# Altium PCB neuro_module.PcbDoc (part 5 of 5)
Units mm, origin at the board's own origin, x right, y up, seen from the top; angles counter-clockwise.
Board outline 96.06 x 102.67 mm, 6 copper layers (Top Layer, Power Layer, Signal Layer 1, GND Plane, Signal Layer 2, Bottom Layer), stack 1.48 mm thick; 479 components, 526 nets, 1822 pads, 1001 vias.
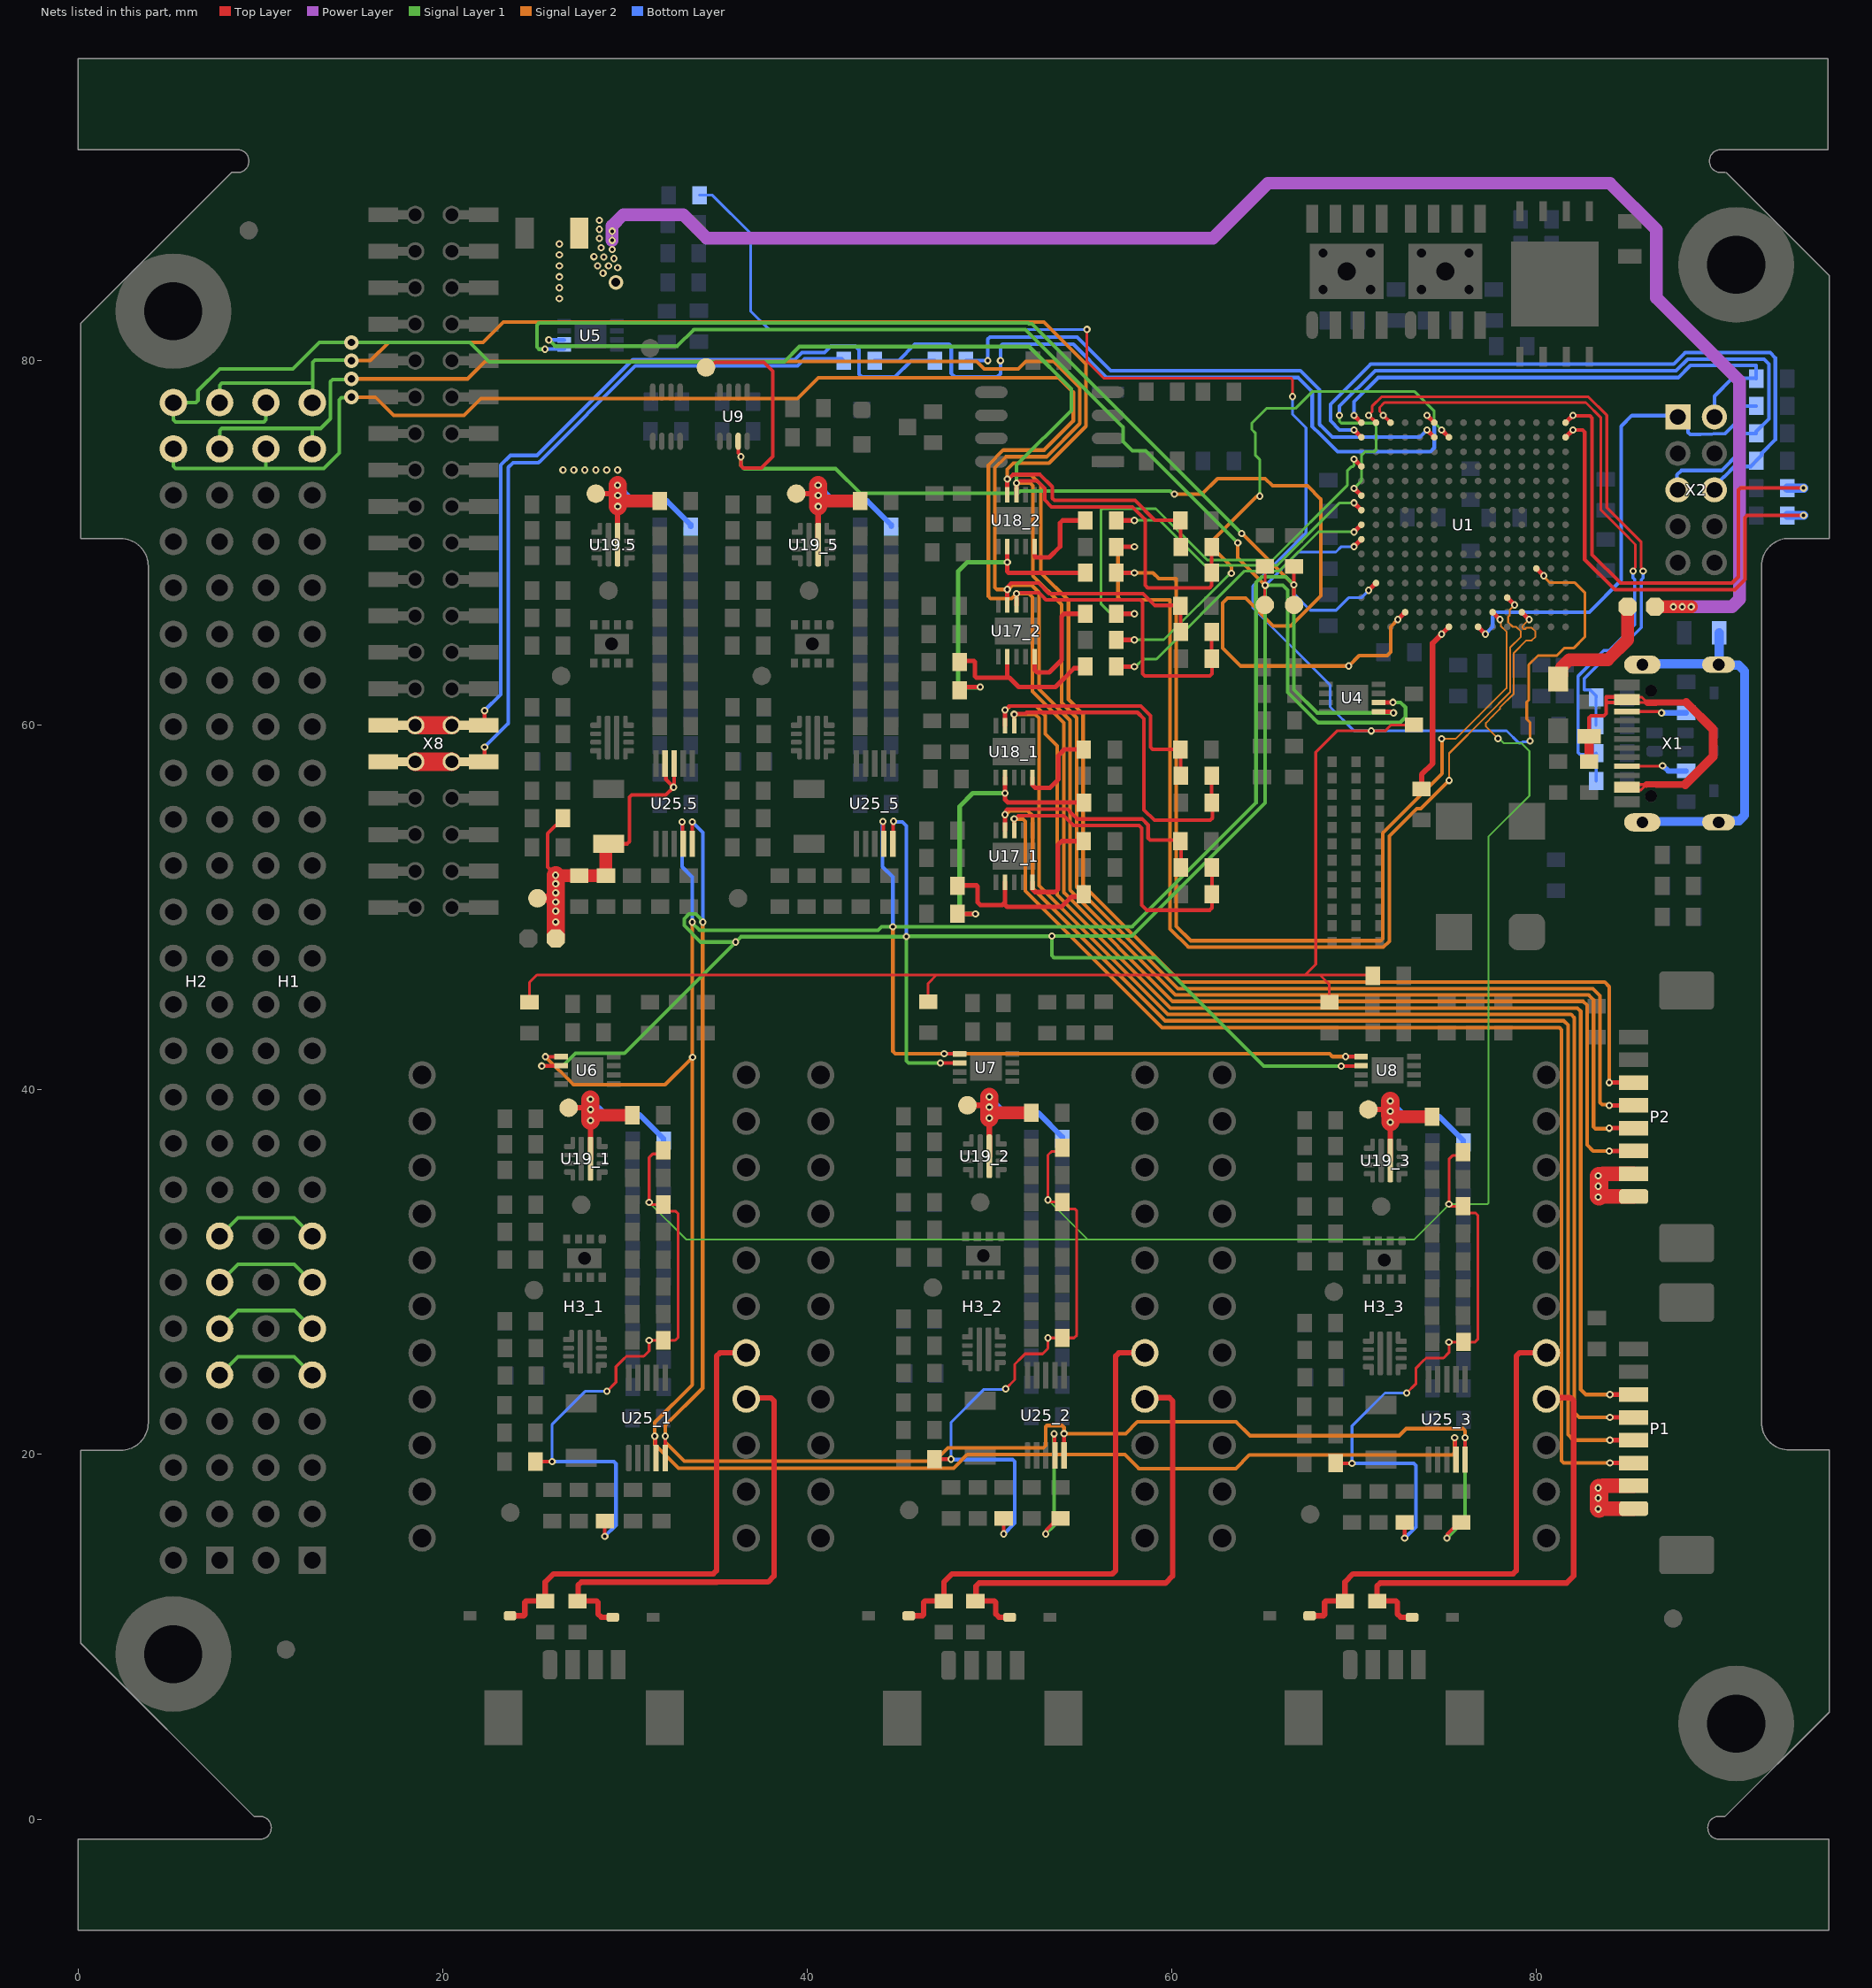
[diagram p9: the nets of this part, all layers, seen from the top]

## Via types
v1: diameter 0.4, hole 0.2, Top Layer to Bottom Layer, tented both sides, 835 vias
v2: diameter 0.8, hole 0.4, Top Layer to Bottom Layer, tented both sides, 89 vias
v3: diameter 1.2, hole 0.8, Top Layer to Bottom Layer, 32 vias
v4: diameter 0.6, hole 0.6, Top Layer to Bottom Layer, tented both sides, 16 vias
v5: diameter 0.4, hole 0.2, Top Layer to Bottom Layer, 11 vias
v6: diameter 0.5, hole 0.2, Top Layer to Bottom Layer, tented top, 8 vias
v7: diameter 0.5, hole 0.25, Top Layer to Bottom Layer, tented both sides, 4 vias
v8: diameter 0.9, hole 0.9, Top Layer to Bottom Layer, 3 vias
v9: diameter 0.5, hole 0.2, Top Layer to Bottom Layer, tented bottom, 2 vias
v10: diameter 0.8, hole 0.5, Top Layer to Bottom Layer, 1 vias

## Nets (pads, with @x,y where several pads share a name; then routed paths per layer and width w, separated by ;. In a path a pad name is that pad's centre, name@x,y a point inside that pad or via, vN(x,y) a via of type N, cw(c..) or ccw(c..) an arc to the next point about the centre after c; other vN are vias at no path point) (continued)
NRST: R88.2 U1.J1 X2.1 | length 27.4
  Top Layer w0.25: U1.J1@76.8,65.4 v1(77.2,65)
  Bottom Layer w0.2: v1(77.2,65) 77.6,65.4 77.6,65.966 77.834,66.2 82.9,66.2 84.658,67.958 84.658,76.403 85.242,76.987 87.687,76.987 X2.1@87.764,76.911 88.311,76.363 88.311,76.063 88.429,75.946 88.999,75.946 89.007,75.946 90.348,75.997 90.406,76.055 90.957,76.606 90.957,77.394 91.075,77.511 R88.2@92.056,77.511
PG: R17_1.1 R17_2.1 R17_3.1 R31_1.1 R31_2.1 R31_3.1 R36_1.1 R36_2.1 R36_3.1 R42_1.1 R42_2.1 R42_3.1 R83_1.1 R83_2.1 R83_3.1 U1.M2 | length 188.2
  Top Layer w0.15: v1(29.009,23.463) 29.508,23.962 29.508,24.816 29.899,25.207 30.076,25.384 31.03,25.384 31.327,25.681 v1(31.327,26.257) 32.757,26.257 32.909,26.409 32.909,33.221 32.792,33.338 32.409,33.338 32.109,33.638 R36_1.1@32.109,33.709 31.444,33.709 v1(31.327,33.826) 31.327,36.288 31.527,36.487 31.913,36.487 R31_1.1@32.109,36.684 ; v1(50.888,23.6) 51.386,24.099 51.386,24.953 51.778,25.344 51.955,25.521 52.909,25.521 53.206,25.818 v1(53.206,26.394) 54.636,26.394 54.788,26.546 54.788,33.358 54.671,33.475 54.288,33.475 53.988,33.775 R36_2.1@53.988,33.846 53.323,33.846 v1(53.206,33.963) 53.206,36.425 53.405,36.624 53.791,36.624 R31_2.1@53.988,36.821 ; v1(72.885,23.372) 73.383,23.87 73.383,24.724 73.774,25.116 73.951,25.293 74.906,25.293 75.202,25.589 v1(75.202,26.166) 76.633,26.166 76.785,26.318 76.785,33.129 76.667,33.246 76.285,33.246 75.985,33.546 R36_3.1@75.985,33.618 75.32,33.618 v1(75.202,33.735) 75.202,36.196 75.402,36.396 75.788,36.396 R31_3.1@75.985,36.593
  Top Layer w0.2: R17_1.1@25.101,19.609 v1(26.009,19.609) ; v1(28.899,15.509) R83_1.1@28.899,16.358 ; R17_2.1@46.98,19.746 v1(47.888,19.746) ; v1(50.778,15.646) R83_2.1@50.778,16.495 ; R17_3.1@68.976,19.518 v1(69.885,19.518) ; v1(72.774,15.418) R83_3.1@72.774,16.266
  Top Layer w0.25: U1.M2@79.2,66.2 v1(79.6,65.8)
  Signal Layer 1 w0.1: v1(31.327,33.826) 33.353,31.801 55.369,31.801 ; v1(53.206,33.963) 55.369,31.801 ; v1(77.892,59.275) 77.957,59.275 78.213,59.019 79.179,59.019 79.617,58.582 79.617,56.128 77.368,53.88 77.368,33.793 77.31,33.735 v1(75.202,33.735) 75.202,33.699 73.304,31.801 55.369,31.801
  Signal Layer 2 w0.1: v1(77.892,59.275) 77.232,59.935 77.232,60.129 77.608,60.504 77.994,60.891 77.994,60.961 78.756,61.723 78.756,63.951 79.455,64.65 79.745,64.65 79.95,64.855 79.95,65.145 79.745,65.35 79.455,65.35 79.383,65.278 79.3,65.278 79.23,65.347 79.23,65.43 v1(79.6,65.8)
  Bottom Layer w0.15: v1(26.009,19.609) 26.009,21.655 27.818,23.463 v1(29.009,23.463) ; v1@47.888,19.721 47.888,21.767 49.696,23.575 v1@50.888,23.575 ; v1(69.885,19.518) 69.885,21.563 71.693,23.372 v1(72.885,23.372)
  Bottom Layer w0.2: v1(26.009,19.609) 29.392,19.609 29.509,19.492 29.509,16.119 v1(28.899,15.509) ; v1@47.888,19.721 51.27,19.721 51.388,19.604 51.388,16.231 v1@50.778,15.621 ; v1(69.885,19.518) 73.267,19.518 73.384,19.4 73.384,16.028 v1(72.774,15.418)
pps: TP7.0 U1.D2 U9.7 | length 73
  Top Layer w0.2: TP7.0@34.454,79.641 34.675,79.641 34.943,79.908 37.617,79.908 38.11,79.415 38.11,74.737 37.49,74.117 36.482,74.117 36.365,74.234 v1(36.365,74.728) ; U9.7@36.209,75.665 36.209,74.937 v1@36.365,74.782
  Top Layer w0.25: v1(72.4,65.8) U1.D2@72.8,66.2
  Signal Layer 1 w0.2: v1(36.365,74.728) 36.365,74.252 36.543,74.074 41.559,74.074 42.913,72.72 51.559,72.72 51.696,72.857 59.913,72.857 60.093,72.677 v1(60.147,72.677)
  Signal Layer 2 w0.2: v1(60.147,72.677) 61.653,72.677 62.509,73.533 65.126,73.533 65.526,73.132 67.438,73.132 68.174,72.397 68.174,67.107 66.523,65.456 65.562,65.456 64.045,66.973 63.06,66.973 62.796,66.709 62.796,64.229 63.775,63.25 v1(69.698,63.25) 70.274,63.826 71.81,63.826 72,64.017 72,65.4 v1(72.4,65.8)
PWR_CH1: H1.9 H2.9 | length 5.9
  Signal Layer 1 w0.2: H2.9@7.77,24.36 8.77,25.36 11.85,25.36 H1.9@12.85,24.36
PWR_CH2: H1.11 H2.11 | length 5.9
  Signal Layer 1 w0.2: H2.11@7.77,26.9 8.77,27.9 11.85,27.9 H1.11@12.85,26.9
PWR_CH3: H1.13 H2.13 | length 5.9
  Signal Layer 1 w0.2: H2.13@7.77,29.44 8.77,30.44 11.85,30.44 H1.13@12.85,29.44
PWR_CH4: H1.15 H2.15 | length 5.9
  Signal Layer 1 w0.2: H2.15@7.77,31.98 8.77,32.98 11.85,32.98 H1.15@12.85,31.98
Reserve_0: R105.1 U1.F14 | length 30.7
  Top Layer w0.25: v1(74,76.2) U1.F14@74.4,75.8
  Bottom Layer w0.2: R105.1@48.7,79.992 48.708,80 v5(49.9,80) 49.9,81.183 50.017,81.3 54.8,81.3 56.649,79.451 67.049,79.451 68.1,78.4 68.1,76.5 68.146,76.454 68.8,75.8 73.6,75.8 v1(74,76.2)
Reserve_1: R106.1 U1.F15 | length 40.5
  Top Layer w0.25: v1(74,77) U1.F15@74.4,76.6
  Bottom Layer w0.2: R106.1@43.7,79.992 44.992,79.992 45.9,80.9 47.783,80.9 47.9,80.783 47.9,79.3 48.1,79.1 50.421,79.1 50.6,79.279 50.6,80.783 50.717,80.9 54.6,80.9 56.43,79.07 66.93,79.07 67.7,78.3 67.7,76.4 68.146,75.954 69.1,75 74.183,75 74.4,75.217 74.4,76.6 v1(74,77)
  other v5: 50.6,80
RS485_LM_A1: P1.3 R7_1.2 R8_1.2 U17_1.8 | length 83.2
  Top Layer w0.2: v1(51.352,54.869) 51.407,54.869 51.579,55.042 54.077,55.042 54.61,54.508 58.201,54.508 58.344,54.366 58.344,50.14 58.623,49.86 62.086,49.86 62.203,49.977 R7_1.2@62.203,50.724 R8_1.2@62.203,52.197
  Top Layer w0.25: U17_1.8@51.352,54.237 v1(51.352,54.869) ; v1(84.03,19.537) P1.3@85.338,19.537
  Signal Layer 2 w0.2: v1(51.352,54.869) 51.383,54.839 51.847,54.839 51.964,54.721 51.964,50.906 59.461,43.409 81.264,43.409 81.382,43.291 81.382,19.654 81.499,19.537 v1(84.03,19.537)
  Bottom Layer w0.1: v1(51.352,54.869) v1@51.359,54.862
RS485_LM_A2: P1.5 R54_1.2 R57_1.2 U18_1.8 | length 87.4
  Top Layer w0.2: v1(51.352,60.604) 51.396,60.647 51.986,60.647 52.043,60.704 58.117,60.704 58.471,60.35 58.471,55.362 59.045,54.788 62.113,54.788 62.23,54.905 62.23,55.746 62.19,55.785 R57_1.2@62.19,57.226 R57_1.2@62.19,57.259
  Top Layer w0.25: U18_1.8@51.352,59.972 v1(51.352,60.604) ; v1(84.03,22.037) P1.5@85.338,22.037
  Signal Layer 2 w0.2: v1(51.352,60.604) 52.502,60.604 52.716,60.39 52.716,51.208 52.788,51.137 52.788,51.124 59.771,44.141 81.899,44.141 82.082,43.959 82.082,22.297 82.342,22.037 v1(84.03,22.037)
RS485_LM_B1: P1.4 R8_1.1 R11_1.2 U17_1.9 | length 77.7
  Top Layer w0.2: v1(50.852,55.098) 50.891,55.136 50.891,55.319 50.97,55.397 54.28,55.397 54.473,55.204 54.473,55.197 54.812,54.858 58.375,54.858 58.699,54.534 58.699,53.813 58.817,53.696 R11_1.2@60.503,53.696 ; R8_1.1@60.503,52.197 R11_1.2@60.503,53.621
  Top Layer w0.25: U17_1.9@50.852,54.237 v1(50.852,55.098) ; v1(84.03,20.787) P1.4@85.338,20.787
  Signal Layer 2 w0.2: v1(50.852,55.098) 50.907,55.098 51.127,55.319 52.072,55.319 52.366,55.025 52.366,51.051 59.626,43.791 81.503,43.791 81.732,43.563 81.732,21.092 82.037,20.787 v1(84.03,20.787)
  Bottom Layer w0.1: v1(50.852,55.098) v1@50.89,55.098
RS485_LM_B2: P1.6 R57_1.1 R62_1.2 U18_1.9 | length 81.8
  Top Layer w0.2: v1(50.852,60.833) 50.852,60.837 51.07,61.054 58.301,61.054 58.826,60.528 58.826,58.791 58.944,58.674 R62_1.2@60.479,58.674 ; R57_1.1@60.49,57.259 R62_1.2@60.49,58.674
  Top Layer w0.25: U18_1.9@50.852,59.972 v1(50.852,60.833) ; v1(84.03,23.287) P1.6@85.338,23.287
  Signal Layer 2 w0.2: v1(50.852,60.833) 50.907,60.833 51.127,61.054 52.547,61.054 53.066,60.535 53.066,59.535 53.721,58.879 53.721,50.686 59.916,44.491 82.255,44.491 82.432,44.315 82.432,23.569 82.713,23.287 v1(84.03,23.287)
RS485_SOP_A1: H1.50 H2.50 P2.3 R7_2.2 R8_2.2 U17_2.8 | length 149.8
  Top Layer w0.2: U17_2.8@51.479,66.59 U17_2.8@51.496,66.606 ; v1(51.479,67.222) 51.518,67.26 51.746,67.26 51.751,67.265 52.708,67.265 52.854,67.119 53.095,66.878 58.277,66.878 58.395,66.761 58.395,66.305 58.397,66.303 58.397,62.83 58.514,62.713 62.087,62.713 62.205,62.83 62.205,63.638 R7_2.2@62.19,63.652 ; R7_2.2@62.19,63.685 R8_2.2@62.19,65.112 R8_2.2@62.19,65.126
  Top Layer w0.25: U17_2.8@51.479,66.59 v1(51.479,67.222) ; R7_2.2@62.19,63.652 R7_2.2@62.216,63.678 ; v1(83.992,36.649) P2.3@85.3,36.649
  Signal Layer 1 w0.2: H2.50@5.23,75.16 5.23,74.209 5.348,74.092 10.31,74.092 ; H1.50@10.31,75.16 10.31,74.092 ; v2@14.967,77.967 14.443,77.967 14.326,77.85 14.326,74.93 13.487,74.092 10.31,74.092
  Signal Layer 2 w0.2: v2(15,78) 16.32,78 17.32,77 21.171,77 22.098,77.927 39.472,77.927 40.613,79.069 53.796,79.069 54.596,78.269 54.596,76.693 52.997,75.095 50.762,75.095 49.942,74.275 49.942,67.072 50.059,66.954 51.212,66.954 v1(51.479,67.222) 52.158,67.222 52.349,67.031 52.349,61.849 54.071,60.127 54.071,50.831 60.046,44.856 82.57,44.856 82.782,44.644 82.782,36.979 83.109,36.652 83.989,36.652 v1(83.992,36.649)
RS485_SOP_A2: H1.52 H2.52 P2.5 R54_2.2 R57_2.2 U18_2.8 | length 147.5
  Top Layer w0.2: v1(51.479,73.277) 51.523,73.277 51.652,73.406 52.622,73.406 53.035,72.993 53.035,72.355 53.406,71.984 57.833,71.984 58.535,71.282 58.535,67.677 58.674,67.539 62.073,67.539 62.19,67.656 R54_2.2@62.19,68.363 R57_2.2@62.19,69.74
  Top Layer w0.25: U18_2.8@51.479,72.645 v1(51.479,73.277) ; v1(83.992,39.149) P2.5@85.3,39.149
  Signal Layer 1 w0.2: H1.52@10.31,77.7 10.31,76.749 10.193,76.632 5.348,76.632 5.23,76.749 H2.52@5.23,77.7 6.461,77.7 6.579,77.817 6.579,78.359 7.772,79.553 11.786,79.553 13.233,81.001 v2(15,81) 21.489,81 22.555,79.934 38.735,79.934 39.573,80.772 52.172,80.772 54.483,78.461 54.483,77.273 51.479,74.27 v1(51.479,73.277)
  Signal Layer 2 w0.2: v1(51.479,73.277) 52.235,73.277 52.375,73.136 52.375,68.199 53.95,66.624 53.95,61.239 54.775,60.413 54.775,51.117 60.336,45.556 83.096,45.556 83.482,45.171 83.482,39.304 83.599,39.187 83.954,39.187 v1(83.992,39.149)
RS485_SOP_B1: H1.49 H2.49 P2.4 R8_2.1 R11_2.2 U17_2.9 | length 139.8
  Top Layer w0.2: v1(50.979,67.451) 51.018,67.489 51.018,67.63 51.062,67.674 ; 51.062,67.675 51.179,67.793 52.699,67.793 53.264,67.228 58.422,67.228 59.077,66.573 60.454,66.573 R11_2.2@60.479,66.548 ; R8_2.1@60.49,65.158 R11_2.2@60.49,66.548
  Top Layer w0.25: U17_2.9@50.979,66.59 v1(50.979,67.451) ; v1(83.992,37.899) P2.4@85.3,37.899
  Signal Layer 1 w0.2: H2.49@7.77,75.16 7.77,76.165 7.888,76.282 12.85,76.282 ; H1.49@12.85,75.16 12.85,76.282 ; v2@14.969,78.969 13.967,78.969 13.85,78.851 13.85,76.817 13.315,76.282 12.85,76.282
  Signal Layer 2 w0.2: v2(15,79) 21.367,79 22.327,79.959 49.304,79.959 49.714,79.55 51.586,79.55 51.996,79.959 53.518,79.959 54.946,78.531 54.946,76.548 53.124,74.727 50.889,74.727 50.292,74.13 50.292,67.568 50.409,67.451 v1(50.979,67.451) 51.034,67.451 51.254,67.672 52.318,67.672 52.711,67.278 52.711,61.982 54.425,60.268 54.425,50.972 60.191,45.206 82.865,45.206 83.132,44.939 83.132,37.989 83.249,37.871 83.965,37.871 v1(83.992,37.899)
  Bottom Layer w0.1: v1(50.979,67.451) v1@51.061,67.451
RS485_SOP_B2: H1.51 H2.51 P2.6 R57_2.1 R62_2.2 U18_2.9 | length 138
  Top Layer w0.2: v1(50.979,73.506) 51.034,73.506 51.284,73.756 52.767,73.756 53.443,73.08 53.443,72.451 53.56,72.334 57.978,72.334 59.065,71.247 60.419,71.247 60.49,71.176 R57_2.1@60.49,69.786
  Top Layer w0.25: U18_2.9@50.979,72.645 v1(50.979,73.506) ; v1(83.992,40.399) P2.6@85.338,40.399
  Signal Layer 1 w0.2: H2.51@7.77,77.7 7.77,78.648 7.888,78.765 12.878,78.765 ; H1.51@12.85,77.7 12.878,77.728 12.878,78.765 ; v2@14.965,80.035 12.995,80.035 12.878,79.918 12.878,78.765
  Signal Layer 2 w0.2: v2(15,80) 16.04,80 17.041,81.001 22.225,81.001 23.334,82.109 52.993,82.109 55.296,79.807 55.296,76.403 53.264,74.371 51.308,74.371 50.979,74.043 v1(50.979,73.506) 51.034,73.506 51.254,73.727 52.279,73.727 52.82,73.186 52.82,68.363 54.331,66.853 54.331,61.417 55.131,60.617 55.131,51.256 60.481,45.906 83.744,45.906 83.992,45.658 v1(83.992,40.399)
  Bottom Layer w0.1: v1(50.979,73.506) v1@51.061,73.506
rsrv_0: R105.2 X8.9 X8.10 | length 45
  Top Layer w0.2: X8.9@22.25,60 22.3,60.05 v1(22.3,60.8)
  Top Layer w1: X8.10@18.5,60 X8.9@20.5,60
  Bottom Layer w0.2: v1(22.3,60.8) 23.19,61.69 23.19,74.27 23.724,74.803 25.171,74.803 30.429,80.061 39.319,80.061 39.708,80.45 40.95,80.45 41.3,80.8 42.633,80.8 42.85,80.583 42.85,79.25 43,79.1 44.8,79.1 45.692,79.992 R105.2@47,79.992
rsrv_1: R106.2 X8.11 X8.12 | length 39.6
  Top Layer w0.2: X8.11@22.25,58 22.3,58.05 v1(22.3,58.8)
  Top Layer w1: X8.12@18.5,58 X8.11@20.5,58
  Bottom Layer w0.2: v1(22.3,58.8) 23.6,60.1 23.6,74.146 23.861,74.407 25.258,74.407 25.304,74.453 25.316,74.453 30.574,79.711 39.464,79.711 39.853,80.1 41.892,80.1 R106.2@42,79.992
rx_dbg: R95.1 U1.R15 | length 27.3
  Top Layer w0.2: v1(82,77) 82.024,76.976 82.941,76.976 83.058,76.859 83.058,69.355 84.62,67.793 84.729,67.793 90.729,67.793 91.084,68.148 91.084,72.908 91.202,73.025 94.642,73.025 v1(94.656,73.011)
  Top Layer w0.25: U1.R15@81.6,76.6 v1(82,77)
  Bottom Layer w0.5: R95.1@93.756,73.011 v1(94.656,73.011)
RXD1_1: R10_1.2 R48_1.1 U17_1.2 | length 9.5
  Top Layer w0.25: R10_1.2@48.252,51.217 49.294,51.217 49.352,51.159 49.352,50.286 49.499,50.14 50.706,50.14 50.791,50.225 ; U17_1.2@50.852,51.397 50.852,50.286 50.791,50.225 ; R48_1.1@55.169,50.724 55.03,50.585 54.484,50.585 53.95,50.051 53.912,50.051 53.899,50.038 50.978,50.038 50.791,50.225
RXD1_2: R10_2.2 R48_2.1 U17_2.2 | length 9.6
  Top Layer w0.1: R10_2.2@48.36,63.475 R10_2.2@48.411,63.525
  Top Layer w0.25: R10_2.2@48.411,63.525 49.141,63.525 49.2,63.467 49.2,62.695 49.284,62.611 51.092,62.611 51.6,62.103 53.619,62.103 54.644,63.127 55.153,63.127 R48_2.1@55.247,63.221 ; 50.979,62.611 U17_2.2@50.979,63.75
RXD2_1: R15_1.2 R58_1.1 U18_1.2 | length 16.1
  Top Layer w0.25: R15_1.2@48.233,49.657 v1(49.233,49.657) ; U18_1.2@50.852,57.152 U18_1.2@50.852,57.132 v1(50.852,56.272) 50.852,55.921 50.999,55.774 55.149,55.774 R58_1.1@55.171,55.753
  Signal Layer 1 w0.25: v1(49.233,49.657) 48.508,49.657 48.362,49.803 48.362,55.55 49.084,56.272 v1(50.852,56.272)
RXD2_2: R15_2.2 R58_2.1 U18_2.2 | length 16.9
  Top Layer w0.25: R15_2.2@48.635,62.105 v1(49.496,62.105) ; U18_2.2@50.979,69.805 v1(50.979,68.945) 50.979,68.429 51.045,68.363 R58_2.1@55.247,68.363
  Signal Layer 1 w0.1: v1@49.469,62.078 v1(49.496,62.105)
  Signal Layer 1 w0.25: v1@49.469,62.078 48.432,62.078 48.285,62.224 48.285,68.453 48.777,68.945 v1(50.979,68.945)
SCL: R4.1 R84_3.1 TP4.0 U1.A7 U4.2 U5.2 U6.2 U7.2 U8.2 U25.5.5 U25_1.5 U25_2.5 U25_3.5 U25_5.5 | length 268.8
  Top Layer w0.15: TP4.0@65.1,66.6 65.1,67.648 v1(65.124,67.672) 65.117,67.679 R4.1@65.117,68.635
  Top Layer w0.2: v1(25.435,41.313) 25.44,41.317 26.487,41.317 U6.2@26.492,41.322 ; U25_1.5@32.209,19.809 v1(32.209,21.009) ; U25.5.5@33.7,53.5 v1(33.7,54.7) ; U25_5.5@44.714,53.577 v1@44.714,54.748 ; v1@47.312,41.474 U7.2@48.359,41.474 ; U25_2.5@54.088,19.946 v1(54.088,21.146) ; v1(69.291,41.3) 69.302,41.311 70.373,41.311 U8.2@70.383,41.322 ; v1(75.085,15.418) 75.123,15.456 75.123,15.638 75.451,15.966 75.585,15.966 R84_3.1@75.885,16.266 ; U25_3.5@76.085,19.718 v1(76.085,20.918)
  Top Layer w0.25: v1(70,69.8) U1.A7@70.4,70.2 ; U4.2@71.351,61.243 71.358,61.25 72.148,61.25 v1@72.155,61.257
  Signal Layer 1 w0.2: v1(25.435,41.313) 26.588,41.313 27.287,42.012 29.972,42.012 v1(36.068,48.108) ; v1@25.747,81.213 26.162,80.797 32.868,80.797 33.782,81.712 51.968,81.712 57.328,76.352 57.328,75.565 57.836,75.057 58.573,75.057 v1(63.622,70.008) ; v1(34.283,49.2) 34.245,49.162 34.245,49.103 34.241,49.1 34.15,49.191 34.15,49.386 33.886,49.65 33.514,49.65 33.25,49.386 33.25,49.014 34.156,48.108 v1(36.068,48.108) ; v1(47.307,41.47) 45.558,41.47 45.441,41.587 v1(45.441,48.412) ; v1@65.117,67.672 65.117,55.745 57.81,48.438 v1(53.416,48.438) ; v1(65.124,67.672) 66.092,67.672 66.35,67.414 66.35,61.806 67.825,60.331 67.838,60.331 68.021,60.147 72.517,60.147 72.822,60.452 72.822,60.985 72.55,61.257 v1(72.136,61.257) ; v1(69.291,41.3) 65.049,41.3 59.106,47.244 53.533,47.244 53.416,47.361 v1(53.416,48.438) ; v1(75.085,15.418) 76.085,16.418 v1(76.085,20.918) ; v1(36.068,48.108) 36.36,48.4 45.428,48.4 v1(45.441,48.412) ; v1(45.441,48.412) 45.453,48.425 53.404,48.425 v1(53.416,48.438)
  Signal Layer 2 w0.2: v1(34.283,49.2) 34.265,49.182 34.265,23.647 32.209,21.592 32.209,20.673 33.249,19.634 46.99,19.634 47.727,20.371 52.969,20.371 53.086,20.488 53.086,21.531 53.145,21.59 53.971,21.59 54.088,21.473 v1(54.088,21.146) 57.468,21.146 58.115,21.793 63.525,21.793 64.287,21.031 72.466,21.031 72.853,21.418 75.967,21.418 76.085,21.3 v1(76.085,20.918) ; v1(63.622,70.008) 63.622,69.174 v1(65.124,67.672)
  Bottom Layer w0.15: v1(65.124,67.672) 66.952,69.5 69,69.5 69.3,69.8 v1(70,69.8)
  Bottom Layer w0.2: v1(25.824,81.136) U5.2@26.672,81.136 ; v1(33.7,54.7) 34.283,54.117 v1(34.283,49.2) ; v1(44.729,54.737) 44.768,54.699 45.222,54.699 45.441,54.48 v1(45.441,48.412)
SDA: R5.1 R84_2.1 TP5.0 U1.B4 U4.1 U5.1 U6.1 U7.1 U8.1 U25.5.4 U25_1.4 U25_2.4 U25_3.4 U25_5.4 | length 264.6
  Top Layer w0.2: v1(25.643,41.822) U6.1@26.492,41.822 ; v1(31.639,21.009) 31.674,20.974 31.674,19.844 U25_1.4@31.709,19.809 ; v1(33.13,54.7) 33.165,54.665 33.165,53.535 U25.5.4@33.2,53.5 ; v1(44.15,54.72) 44.175,54.696 44.175,53.525 U25_5.4@44.2,53.5 ; v1(47.515,41.979) U7.1@48.364,41.979 ; v1(53.088,15.646) 53.126,15.684 53.126,15.867 53.455,16.195 53.588,16.195 R84_2.1@53.888,16.495 ; v1(53.538,21.133) 53.563,21.108 53.563,19.971 U25_2.4@53.588,19.946 ; R5.1@66.7,68.635 v1(66.7,67.7) 66.7,66.611 TP5.0@66.705,66.605 ; v1(69.539,41.826) U8.1@70.388,41.826 ; v1(75.515,20.918) 75.55,20.883 75.55,19.753 U25_3.4@75.585,19.718
  Top Layer w0.25: v1(70.8,67.4) U1.B4@71.2,67.8 ; U4.1@71.351,60.743 72.058,60.743 72.121,60.681 v1(72.161,60.681)
  Signal Layer 1 w0.2: v1(25.615,80.627) 25.289,80.627 25.171,80.744 25.171,81.945 25.289,82.062 52.113,82.062 52.159,82.017 52.33,82.017 v1(63.83,70.517) ; v1(33.7,49.2) 33.7,49.146 34.096,48.75 43.886,48.75 44.086,48.95 v1(44.7,48.95) ; v1@44.788,48.946 57.823,48.946 64.618,55.74 64.618,67.818 64.938,68.138 66.262,68.138 v1(66.7,67.7) 66.7,61.951 67.97,60.681 v1(72.161,60.681) ; v1(53.088,15.646) 53.538,16.096 v1(53.538,21.133)
  Signal Layer 2 w0.1: v1(25.643,41.822) v1@25.658,41.807 ; v1@33.695,41.807 33.7,41.801 v1(33.71,41.792) ; v1(63.83,70.517) v1@63.857,70.517 ; v1@66.673,67.7 v1(66.7,67.7)
  Signal Layer 2 w0.2: v1(25.643,41.822) 27.181,40.284 32.203,40.284 v1(33.71,41.792) ; v1@33.7,41.792 33.7,23.819 31.639,21.759 v1(31.639,21.009) 31.639,20.558 32.944,19.253 48.032,19.253 48.774,19.995 53.538,19.995 ; v1@33.7,41.801 v1(33.7,49.2) ; v1(44.7,48.95) 44.7,42.117 44.838,41.979 68.664,41.979 68.816,41.826 v1(69.539,41.826) ; v1(53.538,21.133) 53.538,19.995 ; v1@63.857,70.517 v1@66.673,67.7 ; v1(75.515,20.918) 75.515,20.085 75.397,19.968 64.254,19.968 63.514,19.228 58.191,19.228 57.424,19.995 53.538,19.995
  Bottom Layer w0.15: v1@66.7,67.687 66.7,67.2 67.59,66.31 69.01,66.31 69.696,66.996 70.396,66.996 v1(70.8,67.4)
  Bottom Layer w0.2: v1@25.62,80.632 U5.1@26.668,80.632 ; v1(33.13,54.7) 33.13,52.235 33.7,51.665 v1(33.7,49.2) ; v1(44.15,54.72) 44.13,54.7 44.13,52.235 44.7,51.665 v1(44.7,48.95)
sop2_rs485.DE: R59_2.2 U1.L3 | length 60.8
  Top Layer w0.25: R59_2.2@56.947,69.786 v1(57.947,69.786) ; U1.L3@78.4,67 v1(78.8,66.6)
  Signal Layer 2 w0.1: v1(75.209,56.972) 75.209,58.46 77.254,60.504 78.556,61.806 78.556,64.261 79.15,64.855 79.15,65.145 78.895,65.4 78.705,65.4 78.45,65.655 78.45,65.945 78.537,66.032 78.537,66.337 v1(78.8,66.6)
  Signal Layer 2 w0.2: v1(57.947,69.786) 57.166,69.786 57.048,69.669 57.048,67.005 57.17,66.884 59.899,66.884 59.899,48.834 60.91,47.823 71.594,47.823 71.927,48.156 71.927,53.919 73.435,55.426 73.663,55.426 v1(75.209,56.972)
sop2_rs485.RX: R58_2.2 U1.K2 | length 55.7
  Top Layer w0.25: R58_2.2@56.947,68.363 v1(57.947,68.363) ; U1.K2@77.6,66.2 v1(78,65.8)
  Signal Layer 2 w0.1: v1@74.835,59.265 75.586,59.265 76.825,60.504 78.356,62.035 78.356,65.139 78.045,65.45 78.045,65.755 v1(78,65.8)
  Signal Layer 2 w0.2: v1(57.947,68.363) 58.966,68.363 59.284,68.046 60.249,68.046 60.249,48.979 61.044,48.184 71.46,48.184 71.577,48.301 71.577,54.102 74.828,57.353 74.828,59.237 v1(74.8,59.265)
sop2_rs485.TX: R60_2.2 U1.A9 | length 16.1
  Top Layer w0.25: R60_2.2@56.947,71.234 v1(57.947,71.234) ; v1(70,72.2) U1.A9@70.4,71.8
  Signal Layer 1 w0.15: v1(57.947,71.234) 57.96,71.247 59.334,71.247 61.819,68.763 65.773,68.763 69.21,72.2 v1(70,72.2)
sop_rs485.DE: R49_2.2 U1.G14 | length 30.8
  Top Layer w0.25: R49_2.2@56.945,64.68 v1(57.945,64.68) ; v1(74.8,76.2) U1.G14@75.2,75.8
  Signal Layer 1 w0.15: v1@57.927,64.694 59.563,64.694 63.207,68.338 v1(63.266,68.338) ; v1(64.821,72.568) 64.821,74.58 64.575,74.826 64.575,76.039 64.389,76.225 64.389,76.581 65.187,77.379 66.776,77.379 67.701,78.303 73.327,78.303 74.397,77.234 74.397,76.603 v1(74.8,76.2)
  Signal Layer 2 w0.2: v1(63.266,68.338) 63.266,68.705 62.255,69.716 62.255,70.155 64.63,72.53 64.783,72.53 v1(64.821,72.568)
sop_rs485.RX: R48_2.2 U1.A8 | length 16.7
  Top Layer w0.25: R48_2.2@56.947,63.221 v1(57.947,63.221) ; v1(70,70.6) U1.A8@70.4,71
  Signal Layer 1 w0.15: v1@57.919,63.221 58.014,63.221 58.421,63.628 59.158,63.628 63.992,68.463 65.897,68.463 68.054,70.62 69.98,70.62 v1(70,70.6)
sop_rs485.TX: R50_2.2 U1.A12 | length 26.8
  Top Layer w0.25: R50_2.2@56.947,66.116 v1(57.947,66.116) ; v1(70,74.6) U1.A12@70.4,74.2
  Signal Layer 1 w0.15: v1@57.94,66.116 56.667,66.116 56.109,66.675 56.109,71.794 56.196,71.882 59.124,71.882 61.943,69.063 65.532,69.063 69.625,73.155 69.625,73.955 69.845,74.175 69.912,74.175 70,74.263 v1(70,74.6)
SWCLK: R94.2 U1.A14 X2.6 | length 37.8
  Top Layer w0.25: v1(70,76.2) U1.A14@70.4,75.8
  Bottom Layer w0.2: v1(70,76.2) 69.199,76.2 68.7,76.699 68.7,77.6 70.907,79.807 87.529,79.807 88.159,80.436 92.831,80.436 93.106,80.161 93.106,76.615 93.106,75.661 92.356,74.911 92.356,74.811 R94.2@92.056,74.511 92.056,74.495 91.756,74.195 90.865,74.195 90.296,73.625 90.288,73.625 89.764,73.101 X2.6@89.764,72.911
SWDIO: R92.1 U1.A15 X2.2 | length 28.8
  Top Layer w0.25: v1(70,77) U1.A15@70.4,76.6
  Bottom Layer w0.2: v1(70,77) 70,77.753 71.317,79.07 87.782,79.07 88.449,79.736 92.056,79.736 R92.1@92.056,79.011 ; X2.2@89.764,76.911 89.764,78.054 90.738,79.029 R92.1@92.056,79.029
SWO: R93.1 U1.A10 X2.5 | length 43.3
  Top Layer w0.25: v1(70,73) U1.A10@70.4,72.6
  Signal Layer 1 w0.15: v1(69.2,77) 69.2,76.663 69.288,76.575 71.037,76.575 71.2,76.412 71.2,75.088 71.112,75 70.6,75 70.4,74.8 70.4,73.4 v1(70,73)
  Bottom Layer w0.2: v1(69.2,77) 69.2,77.5 71.151,79.451 87.668,79.451 88.304,80.086 92.481,80.086 92.756,79.811 92.756,76.811 92.056,76.111 R93.1@92.056,76.011 91.075,76.011 91.075,74.899 90.151,73.975 87.945,73.975 87.706,73.736 87.706,72.969 X2.5@87.764,72.911
SYS_CLK: R87.2 U1.G1 | length 9.5
  Top Layer w0.25: v1(74.8,65) U1.G1@75.2,65.4
  Top Layer w0.3: R87.2@73.7,56.5 73.7,57.3 74.3,57.9 74.3,63.071 74.3,64.5 v1(74.8,65)
temp_alert: R109.1 R110.2 R111.2 R112.2 R113.2 R114.2 U1.N5 | length 156.8
  Top Layer w0.1: R114.2@68.631,44.842 R114.2@68.656,44.817 ; R109.1@70.968,46.304 R109.1@71.016,46.256 ; R110.2@72.947,59.69 R110.2@73.279,60.022
  Top Layer w0.15: R112.2@24.765,44.817 24.765,45.898 25.171,46.304 47.092,46.304 ; R113.2@46.632,44.831 46.632,45.845 47.092,46.304 ; v1(55.347,81.712) 55.347,79.959 56.261,79.045 66.536,79.045 66.624,78.957 v1(66.624,78.029) ; R114.2@68.631,44.842 68.631,45.796 68.123,46.304 ; R109.1@70.968,46.304 68.123,46.304 ; R110.2@73.279,60.022 72.036,60.022 71.704,59.69 v1(70.942,59.69) 69.063,59.69 67.894,58.522 67.894,46.888 67.31,46.304 ; 47.092,46.304 67.31,46.304 ; 67.31,46.304 68.123,46.304
  Top Layer w0.25: U1.N5@80,68.6 v1(80.4,68.2)
  Signal Layer 2 w0.1: v1@80.4,68.165 v1(80.4,68.2)
  Signal Layer 2 w0.15: v1(79.652,59.133) 79.652,60.145 79.47,60.327 79.47,60.504 79.47,61.271 79.581,61.381 79.581,63.319 80.087,63.825 81.121,63.825 81.521,64.225 82.038,64.225 82.652,64.838 82.652,67.279 82.112,67.818 80.747,67.818 v1@80.4,68.165
  Bottom Layer w0.15: R111.2@34.085,89.078 34.798,89.078 36.906,86.97 36.906,82.702 37.897,81.712 v1(55.347,81.712) ; v1(66.624,78.029) 66.624,77.052 67.361,76.315 67.361,70.561 64.44,67.64 64.44,66.446 68.682,62.205 68.682,61.011 70.002,59.69 v1(70.942,59.69) 73.508,59.69 73.517,59.7 78.367,59.7 79.037,59.03 79.187,59.03 79.242,59.085 79.604,59.085 v1(79.652,59.133)
tx_dbg: R96.1 U1.R14 | length 25.5
  Top Layer w0.2: v1(82,76.2) 82.533,76.2 82.65,76.083 82.65,69.09 84.303,67.437 90.881,67.437 91.44,67.996 91.44,71.394 91.557,71.511 v1(94.656,71.511)
  Top Layer w0.25: U1.R14@81.6,75.8 v1(82,76.2)
  Bottom Layer w0.5: R96.1@93.756,71.511 v1(94.656,71.511)
TXD1_1: R50_1.1 U17_1.5 | length 5.9
  Top Layer w0.1: U17_1.5@52.352,51.397 U17_1.5@52.357,51.393
  Top Layer w0.25: U17_1.5@52.352,51.393 52.352,50.997 52.499,50.851 53.6,50.851 53.746,50.997 53.746,53.442 53.95,53.645 R50_1.1@55.169,53.645
TXD1_2: R50_2.1 U17_2.5 | length 6.3
  Top Layer w0.25: U17_2.5@52.479,63.75 52.479,63.049 52.626,62.903 53.27,62.903 53.95,63.583 53.95,65.97 54.096,66.116 R50_2.1@55.247,66.116
TXD2_1: R60_1.1 U18_1.5 | length 4.9
  Top Layer w0.25: U18_1.5@52.352,57.132 52.352,56.721 52.499,56.574 53.323,56.574 53.772,57.023 53.772,58.344 54.102,58.674 R60_1.1@55.169,58.674
TXD2_2: R60_2.1 U18_2.5 | length 4.9
  Top Layer w0.25: U18_2.5@52.479,69.805 52.479,69.274 52.538,69.215 53.281,69.215 53.873,69.807 53.873,71.087 54.02,71.234 R60_2.1@55.247,71.234
UART2_RX_1: H3_1.5 R64_1.2 VD2_1.1 | length 26.9
  Top Layer w0.3: VD2_1.1@23.698,11.151 24.452,11.151 24.511,11.209 24.511,11.887 24.585,11.962 25.629,11.962 25.629,13.005 26.077,13.453 34.851,13.453 35.027,13.629 35.027,25.4 35.202,25.576 H3_1.5@36.678,25.576
UART2_RX_2: H3_2.5 R64_2.2 VD2_2.1 | length 26.9
  Top Layer w0.3: VD2_2.1@45.568,11.152 46.322,11.152 46.38,11.211 46.38,11.889 46.455,11.963 R64_2.2@47.498,11.963 47.498,13.007 47.946,13.455 56.746,13.455 56.921,13.631 56.921,25.402 57.097,25.578 H3_2.5@58.547,25.578
UART2_RX_3: H3_3.5 R64_3.2 VD2_3.1 | length 26.9
  Top Layer w0.3: VD2_3.1@67.564,11.152 68.318,11.152 68.377,11.211 68.377,11.889 68.451,11.963 R64_3.2@69.494,11.963 69.494,13.007 69.943,13.455 78.717,13.455 78.892,13.631 78.892,25.402 79.068,25.578 H3_3.5@80.543,25.578
UART2_TX_1: H3_1.4 R63_1.2 VD1_1.1 | length 25.6
  Top Layer w0.3: VD1_1.1@29.337,11.074 28.7,11.074 28.524,11.25 28.524,11.889 28.45,11.963 R63_1.2@27.407,11.963 27.432,11.989 27.432,12.827 27.608,13.003 35.037,13.003 35.039,13.005 37.848,13.005 38.176,13.333 38.176,22.936 38,23.112 H3_1.4@36.754,23.112
UART2_TX_2: H3_2.4 R63_2.2 VD1_2.1 | length 25.6
  Top Layer w0.3: R63_2.2@49.225,11.963 50.268,11.963 50.343,11.889 50.343,11.25 50.519,11.074 VD1_2.1@51.156,11.074 ; R63_2.2@49.258,11.962 49.258,12.778 49.434,12.954 59.665,12.954 60.046,13.335 60.046,22.938 59.87,23.114 H3_2.4@58.623,23.114
UART2_TX_3: H3_3.4 R63_3.2 VD1_3.1 | length 25.7
  Top Layer w0.3: VD1_3.1@73.185,11.073 72.548,11.073 72.372,11.248 72.372,11.887 72.298,11.962 71.255,11.962 71.255,12.778 71.431,12.954 81.661,12.954 82.042,13.335 82.042,22.938 81.866,23.114 80.619,23.114 H3_3.4@80.543,23.038
USB_5V: NT1.1 VD3.1 | length 6.8
  Top Layer w0.1: 84.988,65.43 85,65.442
  Top Layer w0.7: VD3.1@81.19,62.543 81.39,62.743 81.39,63.192 81.8,63.602 83.854,63.602 83.922,63.602 85,64.68 85,65.442 NT1.1@85,66.5
USB_Case: L3.1 X1.S1 X1.S2 X1.S3 X1.S4 | length 21.1
  Bottom Layer w0.5: X1.S1@85.839,54.726 90.019,54.726 90.059,54.766 91.126,54.766 91.419,55.059 91.419,62.976 91.092,63.303 90.092,63.303 X1.S4@90.019,63.376 ; X1.S2@85.839,63.376 X1.S4@90.019,63.376 ; L3.1@90.019,65.076 X1.S4@90.019,63.376
USB_D_N: C30.2 R47.2 U1.C15 | length 37
  Top Layer w0.15: v1(71.6,77) 71.6,77.016 71.399,77.217 71.399,77.436 71.664,77.7 82.712,77.7 83.541,76.871 83.541,71.804 84.729,70.615 85.43,69.914 85.43,68.649 85.302,68.521 v1(85.302,68.453)
  Top Layer w0.2: v1(71.6,77) U1.C15@72,76.6
  Bottom Layer w0.17: C30.2@83.27,56.936 R47.2@83.27,58.476 83.188,58.395 82.396,58.395 82.296,58.494 82.296,60.659 82.296,61.489 82.296,62.704 83.697,64.106 83.854,64.106 83.983,64.106 85.394,65.516 85.394,68 85.302,68.092 v1(85.302,68.453)
USB_D_P: C29.2 R46.2 U1.B15 | length 34.5
  Top Layer w0.15: v1(70.8,77) 70.8,77.018 70.999,77.217 70.999,77.513 71.506,78.02 82.844,78.02 83.861,77.004 83.861,71.936 84.729,71.068 85.75,70.047 85.75,68.622 85.852,68.521 v1(85.852,68.453)
  Top Layer w0.2: v1(70.8,77) U1.B15@71.2,76.6
  Bottom Layer w0.15: R46.2@83.27,60 C29.2@83.27,61.536
  Bottom Layer w0.17: C29.2@83.27,61.536 83.27,61.634 82.955,61.949 82.636,61.949 82.636,62.564 83.838,63.766 84.162,63.766 85.76,65.364 85.76,67.98 85.852,68.072 v1(85.852,68.453)
USB_VBus: C26.2 L1.1 X1.A4 X1.A9 X1.B4 X1.B9 | length 21.2
  Top Layer w0.15: X1.A4@84.969,56.45 84.973,56.455 85.741,56.455 86.037,56.75 X1.B9@84.969,56.75 ; X1.B4@84.969,61.25 86.068,61.25 85.768,61.55 X1.A9@84.969,61.55
  Top Layer w0.2: L1.1@82.89,59.393 82.89,60.411 83.007,60.528 83.709,60.528 83.826,60.645 83.826,61.55 X1.A9@84.969,61.55 ; 83.826,61.25 X1.B4@84.969,61.25
  Top Layer w0.35: 86.037,56.75 86.047,56.76 86.562,56.76 86.572,56.75 88.167,56.75 ; 86.068,61.25 86.078,61.24 86.562,61.24 86.572,61.25 88.217,61.25
  Top Layer w0.5: C26.2@82.89,58.093 L1.1@82.89,59.393 ; 88.167,56.75 89.693,58.277 89.693,59.774 88.217,61.25
V_out_4: C16.5.2 C17.5.2 NT2.1 R81.5.1 R82.5.1 TP6.5.0 U25.5.8 U25.5.9 | length 22.2
  Top Layer w0.2: v1(26.2,51.776) 25.755,52.221 25.755,54.058 26.197,54.5 26.291,54.5 26.591,54.8 R82.5.1@26.591,54.9 ; R81.5.1@28.96,53.36 R81.5.1@29.1,53.5 30.133,53.5 30.25,53.617 30.25,56.063 30.368,56.18 32.245,56.18 v1(32.667,56.602) ; U25.5.9@32.2,57.9 32.25,57.85 32.25,57.019 v1(32.667,56.602) ; U25.5.8@32.7,57.9 32.7,56.636 v1(32.667,56.602)
  Top Layer w0.5: TP6.5.0@25.032,50.508 TP6.5.0@25.203,50.508 25.903,50.508 v1(26.203,50.808) ; 26.2,51.043 26.203,51.041 ; v1(26.2,51.776) v1@26.227,51.749
  Top Layer w0.7: v1@26.227,51.749 C16.5.2@27.5,51.749 C17.5.2@28.96,51.749 R81.5.1@28.96,53.36
  Top Layer w1: NT2.1@26.2,48.3 26.203,48.3 v1(26.203,49.208) v1(26.203,49.808) v1(26.203,50.308) v1(26.203,50.808) 26.203,51.041 ; 26.2,51.043 v1(26.2,51.776)
  other v1: 26.203,51.308
VBAT: C9.5.2 C9_1.2 C9_2.2 C9_3.2 C9_5.2 NT1.2 P1.1 P1.2 P2.1 P2.2 R20.5.2 R20_1.2 R20_2.2 R20_3.2 R20_5.2 R51.2 TP1.5.0 TP1_1.0 TP1_2.0 TP1_3.0 TP1_5.0 U19.5.5 U19_1.5 U19_2.5 U19_3.5 U19_5.5 | length 157.7
  Top Layer w0.1: v1@83.436,18.17 83.518,18.17 83.635,18.287 ; v1@83.436,35.281 83.518,35.281 83.635,35.399
  Top Layer w0.3: TP1_1.0@26.912,39.017 28.012,39.017 28.107,38.922 v1(28.112,38.917) ; U19_1.5@28.11,36.22 28.11,38.315 v1(28.112,38.317) ; TP1.5.0@28.403,72.708 29.503,72.708 29.597,72.613 v1(29.603,72.608) ; U19.5.5@29.6,69.911 29.6,72.006 v1(29.603,72.008) ; TP1_5.0@39.403,72.708 40.503,72.708 40.597,72.613 v1(40.603,72.608) ; U19_5.5@40.6,69.911 40.6,72.006 v1(40.603,72.008) ; TP1_2.0@48.791,39.154 49.891,39.154 49.986,39.059 v1(49.991,39.054) ; U19_2.5@49.989,36.357 49.989,38.452 v1(49.991,38.454) ; TP1_3.0@70.787,38.926 71.887,38.926 71.982,38.831 v1(71.987,38.826) ; U19_3.5@71.985,36.129 71.985,38.223 v1(71.987,38.226)
  Top Layer w0.7: v1(28.112,38.317) 28.404,38.609 C9_1.2@30.409,38.609 ; v1(29.603,72.008) 29.895,72.3 C9.5.2@31.9,72.3 ; v1(40.603,72.008) 40.895,72.3 C9_5.2@42.9,72.3 ; v1(49.991,38.454) 50.283,38.746 C9_2.2@52.288,38.746 ; v1(71.987,38.226) 72.279,38.518 C9_3.2@74.285,38.518 ; NT1.2@86.48,66.5 NT1.2@86.5,66.5 v1@87.498,66.5 ; v1@87.508,66.5 v1@88.507,66.5
  Top Layer w0.8: v1@83.436,17.037 P1.1@85.338,17.037 ; v1@83.436,34.149 P2.1@85.338,34.149 ; 83.635,18.287 P1.2@85.338,18.287 ; 83.635,35.399 P2.2@85.338,35.399
  Top Layer w1: v1@28.107,38.922 v1(28.107,39.479) ; 28.11,38.707 28.112,38.705 v1(28.112,38.317) ; v1@29.597,72.613 v1(29.597,73.17) ; 29.6,72.398 29.603,72.395 v1(29.603,72.008) ; v1@40.597,72.613 v1(40.597,73.17) ; 40.6,72.398 40.603,72.395 v1(40.603,72.008) ; v1@49.986,39.059 v1(49.986,39.616) ; 49.989,38.844 49.991,38.842 v1(49.991,38.454) ; v1@71.982,38.831 v1(71.982,39.388) ; 71.985,38.615 71.987,38.613 v1(71.987,38.226) ; v1@83.436,17.037 v1@83.436,18.17 ; v1@83.436,34.149 v1@83.436,35.281
  Power Layer w0.7: v1(29.3,86.6) 29.3,87.4 29.911,88.011 33.198,88.011 34.493,86.716 62.255,86.716 65.278,89.738 84.023,89.738 86.589,87.173 86.589,83.439 91.135,78.892 91.135,66.91 90.725,66.5 v1(88.492,66.5) v1(87.997,66.5) v1@87.498,66.5
  Bottom Layer w0.3: v1(28.107,39.479) 28.966,38.62 30.81,38.62 32.121,37.309 R20_1.2@32.121,37.209 ; v1(29.597,73.17) 30.456,72.311 32.3,72.311 33.611,71 R20.5.2@33.611,70.9 ; v1(40.597,73.17) 41.456,72.311 43.3,72.311 44.611,71 R20_5.2@44.611,70.9 ; v1@49.986,39.591 50.845,38.732 52.688,38.732 53.999,37.421 R20_2.2@53.999,37.321 ; v1(71.982,39.388) 72.841,38.529 74.685,38.529 75.996,37.218 R20_3.2@75.996,37.118
  other v1: 83.393,17.007 83.393,17.607 83.388,18.169 83.393,34.119 83.393,34.719 83.388,35.281 87.515,66.5 26.6,74 27.2,74 27.8,74 28.4,74 29,74 29.6,74 26.4,83.4 26.4,84 26.4,84.6 26.4,85.2 26.4,85.8 26.4,86.4 28.6,86.7 29.3,87.1 28.6,87.2 28.6,87.7
  other v5: 28.8,84.8 29.6,85.1 28.5,85.2 29.1,85.2 29.4,85.6 28.845,85.684 28.3,85.7 29.3,86.1 28.7,86.2
  other v10: 29.5,84.3
СС1: R73.1 X1.A5 | length 3.4
  Top Layer w0.15: X1.A5@84.969,57.75 86.868,57.75 v1@86.893,57.725
  Bottom Layer w0.3: v1(86.919,57.776) 86.946,57.776 87.225,57.496 R73.1@88.219,57.496
СС2: R74.2 X1.B5 | length 3.3
  Top Layer w0.15: X1.B5@84.969,60.75 86.701,60.75 86.826,60.625 v1@86.893,60.625
  Bottom Layer w0.3: v1@86.919,60.676 86.92,60.677 R74.2@88.219,60.677
  other v1: 86.868,60.681
pads on no net: RP1.1 RP2.1 RP3.1 RP4.1 RP5.1 RP6.1 U17_1.7 U17_2.7 U18_1.7 U18_2.7 X1.
copper on no net:
  other v4: 11.325,-0.45 12.325,-0.45 13.35,-0.45 14.375,-0.45 85.625,-0.45 86.625,-0.45 87.65,-0.45 88.675,-0.45 85.675,90.905 86.675,90.905 87.7,90.905 88.725,90.905 10.1,90.955 11.1,90.955 12.125,90.955 13.15,90.955
  other v8: 19.5,67 19.5,71 19.5,87

## Polygon pours and split planes (outlines as drawn)
GND on Top Layer " " (solid, pour order 227): 95.905,84.547 90.305,90.147 90.305,90.195 85.9,90.195 85.9,85.223 90.618,80.505 95.905,80.505
GND on Top Layer "GND_L01_P256" (solid, pour order 256): 28.083,0.278 28.083,0.978 cw(c29.583,0.978) 29.583,2.478 66.783,2.478 cw(c66.783,0.978) 68.283,0.978 68.283,0.478 84.483,0.478 95.983,11.978 95.983,19.636 cw(c94.955,22.415) 92.177,21.387 92.285,53.978 86.083,53.978 86.083,11.478 cw(c84.084,11.478) 84.083,9.478 15.583,9.478 15.583,0.278
VBAT on Top Layer "VBAT_L01_P246" (solid, pour order 246): 26,89.5 26,73.5 30,73.5 30,87.5 ccw(c28,87.5) 28,89.5
GND on Top Layer " " (solid, pour order 255): 90.252,0.3 95.852,5.9 95.9,5.9 95.9,11.4 92.023,11.4 84.197,3.575 ccw(c84.674,3.098) 84,3.098 84,0.3
GND on Top Layer " " (solid, pour order 254): 0.6,19.788 0.6,9.9 10,0.5 27.5,0.5 27.5,5.983 27.487,5.996 16.873,5.996 16.873,6.927 4,19.8
NM_PWR_CH on Top Layer "NM_PWR_CH_L01_P249" (solid, pour order 249): 25.5,89.5 25.5,84.967 23,84.967 15.9,84.967 15.9,89.5
GND on Top Layer " " (solid, pour order 223): 0.5,70.507 0.5,81.77 8.73,90 11.1,90 11.1,79.25 3.981,70.495
GND on Bottom Layer " " (solid, remove dead copper, pour order 258): 95.9,80.5 95.9,84.3 90.2,90 8.6,90 0.5,81.9 0.5,70.495 4,70.495 4,19.8 3.988,19.788 0.6,19.788 0.6,9.9 10,0.5 27.5,0.5 27.5,3 68.5,3 68.5,0.3 90.252,0.3 95.9,5.9 95.9,19.609 92.202,19.609 92.202,70.495 95.9,70.495
GND on Bottom Layer " " (solid, pour order 237): 95.905,84.547 90.305,90.147 90.305,90.195 85.9,90.195 85.9,85.223 92.63,78.492 ccw(c93.107,78.969) 93.107,78.295 93.695,78.295 93.7,80.505 95.905,80.505
GND on Bottom Layer " " (solid, pour order 235): 0.5,70.507 0.5,81.77 8.73,90 11.1,90 11.1,79.25 3.981,70.495
3V3 on Power Layer " " (solid, remove dead copper, pour order 266): 35.357,88.875 36.424,87.808 62.484,87.808 63.5,88.824 63.5,90 89.988,90 95.5,84.488 95.5,70.968 92.151,70.968 92.151,19.533 95.5,19.533 95.5,5.98 89.973,0.5 68.5,0.5 68.5,3 27.5,3 27.5,0.5 18.5,0.5 18.5,90 35.357,90
VBAT on Power Layer "VBAT_L02_P265" (solid, pour order 265): 25.5,89.5 25.5,53 25.5,49 25.5,37.44 30,37.44 30,87.5 ccw(c28,87.5) 28,89.5
VBAT on Power Layer "VBAT_L02_P247" (solid, pour order 247): 82.626,41.201 82.626,14.429 85.919,14.429 85.919,41.201
VBAT on Power Layer "VBAT_L02_P257" (solid, pour order 257): 29.9,71 43,71 43,74 29.9,74
nm_vbus_1 on Power Layer "Power Layer-VBUS" (solid, pour order 252): 23.911,13.233 37.846,13.233 37.846,16.561 35.484,16.561 35.484,14.681 25.552,14.681 25.552,18.831 23.911,18.831
nm_vbus_3 on Power Layer "Power Layer-VBUS 1" (solid, pour order 244): 67.802,13.233 81.737,13.233 81.737,16.561 79.375,16.561 79.375,14.681 69.444,14.681 69.444,18.831 67.802,18.831
nm_vbus_2 on Power Layer "Power Layer-VBUS 2" (solid, pour order 267): 45.781,13.233 59.716,13.233 59.716,16.561 57.353,16.561 57.353,14.681 47.422,14.681 47.422,18.831 45.781,18.831
VBAT on Power Layer "VBAT_L02_P253" (solid, pour order 253): 29.87,37.468 84.463,37.468 84.463,40.968 29.87,40.968
GND on Signal Layer 1 " " (solid, remove dead copper, pour order 259): 95.9,76.5 93.95,76.5 93.95,80.5 95.9,80.5 95.9,84.3 90.2,90 8.6,90 0.5,81.9 0.5,70.495 4,70.495 4,19.8 3.988,19.788 0.6,19.788 0.6,9.9 10,0.5 27.5,0.5 27.5,3 68.5,3 68.5,0.3 90.252,0.3 95.9,5.9 95.9,13 92.177,13 92.177,70.495 95.9,70.495
GND on Signal Layer 2 " " (solid, remove dead copper, pour order 261): 95.9,13 92.177,13 92.177,70.495 95.9,70.495 95.9,76.5 93.95,76.5 93.95,80.5 95.9,80.5 95.9,84.3 90.2,90 8.6,90 0.5,81.9 0.5,70.495 4,70.495 4,19.8 3.988,19.788 0.6,19.788 0.6,9.9 10,0.5 27.5,0.5 27.5,3 68.5,3 68.5,0.3 90.252,0.3 95.9,5.9
GND on GND Plane (split plane): 368 vertices, not listed, extent 0.51,-5.59 95.554,96.06

## Silkscreen, mask and mechanical layers (free items; w line width, h text height)
Top Overlay:
  drawing of 2081 lines, arcs and shapes, not listed
  text "'.GlobalOrganizationName' / '.GlobalProjectName1' '.GlobalProjectRevision' '.Print_Date' / '.GlobalProjectNumber'" at 44.475,80.739 h2
  text "T°C" at 69.393,62.611 h1
  text "1" at 70,47 h2 r90
  text "0" at 71.3,46.9 h2 r90
  text "SOP PORT" at 91.821,36.119 h1.52 r90
  text "LM PORT" at 91.745,19.328 h1.52 r90
Mechanical 1:
  pour cut-out: 14.475,90.32 cw(c14.475,90.92) 13.875,90.92 cw(c14.475,90.92) 14.475,91.52 84.39,91.52 cw(c84.39,90.92) 84.99,90.92 cw(c84.39,90.92) 84.39,90.32 63.228,90.32 63.213,90.305 63.213,89.542 63.215,89.542 cw(c61.715,89.542) 61.715,88.042 37.15,88.042 cw(c37.15,89.542) 35.65,89.542 35.652,89.542 35.652,90.305 35.637,90.32
  lines w0.3: 8.765,91.57 cw(c8.765,90.97) 9.365,90.97 ; 8.77,91.57 0,91.57 0,96.57 96,96.57 96,91.57 90.1,91.57 ccw(c90.1,90.97) 89.5,90.97 ; 9.365,90.92 cw(c8.765,90.92) 8.765,90.32 8.42,90.32 0.15,82.05 0.15,70.235 2.35,70.235 cw(c2.35,68.735) 3.85,68.735 3.85,21.735 cw(c2.35,21.735) 2.35,20.235 0.15,20.235 0.15,9.65 9.65,0.15 9.995,0.15 cw(c9.995,-0.45) 10.595,-0.45 ; 9.995,-1.1 ccw(c9.995,-0.5) 10.595,-0.5 ; 10,-1.1 0,-1.1 0,-6.1 96.04,-6.1 96.04,-1.1 90,-1.1 ; 14.47,91.52 84.39,91.52 cw(c84.39,90.92) 84.99,90.92 cw(c84.39,90.92) 84.39,90.32 70.61,90.32 ; 14.475,91.52 ccw(c14.475,90.92) 13.875,90.92 ccw(c14.475,90.92) 14.475,90.32 28.255,90.32 ; 15.105,-0.5 ccw(c15.705,-0.5) 15.705,-1.1 ; 15.105,-0.45 cw(c15.705,-0.45) 15.705,0.15 16.05,0.15 28.095,0.15 28.095,0.95 cw(c29.595,0.95) 29.595,2.45 66.595,2.45 cw(c66.595,0.95) 68.095,0.95 ; 15.7,-1.1 84.3,-1.1 ; 28.194,90.32 35.637,90.32 ; 35.65,89.542 ccw(c37.15,89.542) 37.15,88.042 61.715,88.042 ccw(c61.715,89.542) 63.215,89.542 ; 35.652,89.542 35.652,90.305 ; 63.213,89.542 63.213,90.305 ; 63.228,90.32 70.671,90.32 ; 68.093,0.152 68.093,0.95 ; 68.093,0.171 68.095,0.15 ; 68.1,0.15 83.95,0.15 84.295,0.15 cw(c84.295,-0.45) 84.895,-0.45 ; 84.295,-1.1 ccw(c84.295,-0.5) 84.895,-0.5 ; 89.405,-0.5 ccw(c90.005,-0.5) 90.005,-1.1 ; 89.405,-0.45 cw(c90.005,-0.45) 90.005,0.15 90.35,0.15 96.065,5.865 96.065,20.25 93.855,20.25 cw(c93.855,21.75) 92.355,21.75 92.355,68.75 cw(c93.855,68.75) 93.855,70.25 96.065,70.25 96.065,84.665 90.415,90.315 ; 89.5,90.92 ccw(c90.1,90.92) 90.1,90.32 ; 90.125,90.32 90.34,90.32
Mechanical 2:
  lines w0.1: 6.85,14.2 8.625,14.2 ; 7.77,13.327 7.77,14.975 ; 12,14.2 13.725,14.2 ; 12.85,13.275 12.85,14.975
  lines w0.254: 14.5,1.1 15.5,1.1 15.5,89.5 14.5,89.5 14.5,1.1
Mechanical 3:
  lines w0.2: 7.77,16.74 7.77,14.2 12.85,14.2 12.85,16.74

## Dimensions
0,0 to 0,-6.1 on Mechanical 3
0,-6.1 to 0,-6.1 on Mechanical 3

## Text inside footprints (layer, text, board x,y; h text height)
H3_1: Top Overlay "USB SIDE" at 33.985,11.506 h1.52
H3_2: Top Overlay "USB SIDE" at 55.905,11.557 h1.52
H3_3: Top Overlay "USB SIDE" at 77.927,11.557 h1.52
X1: Mechanical 13 "PCB Edge" at 91.823,56.93 h0.7 r90